# Allegro board sk_s7g2 rev3.0.brd (continued)
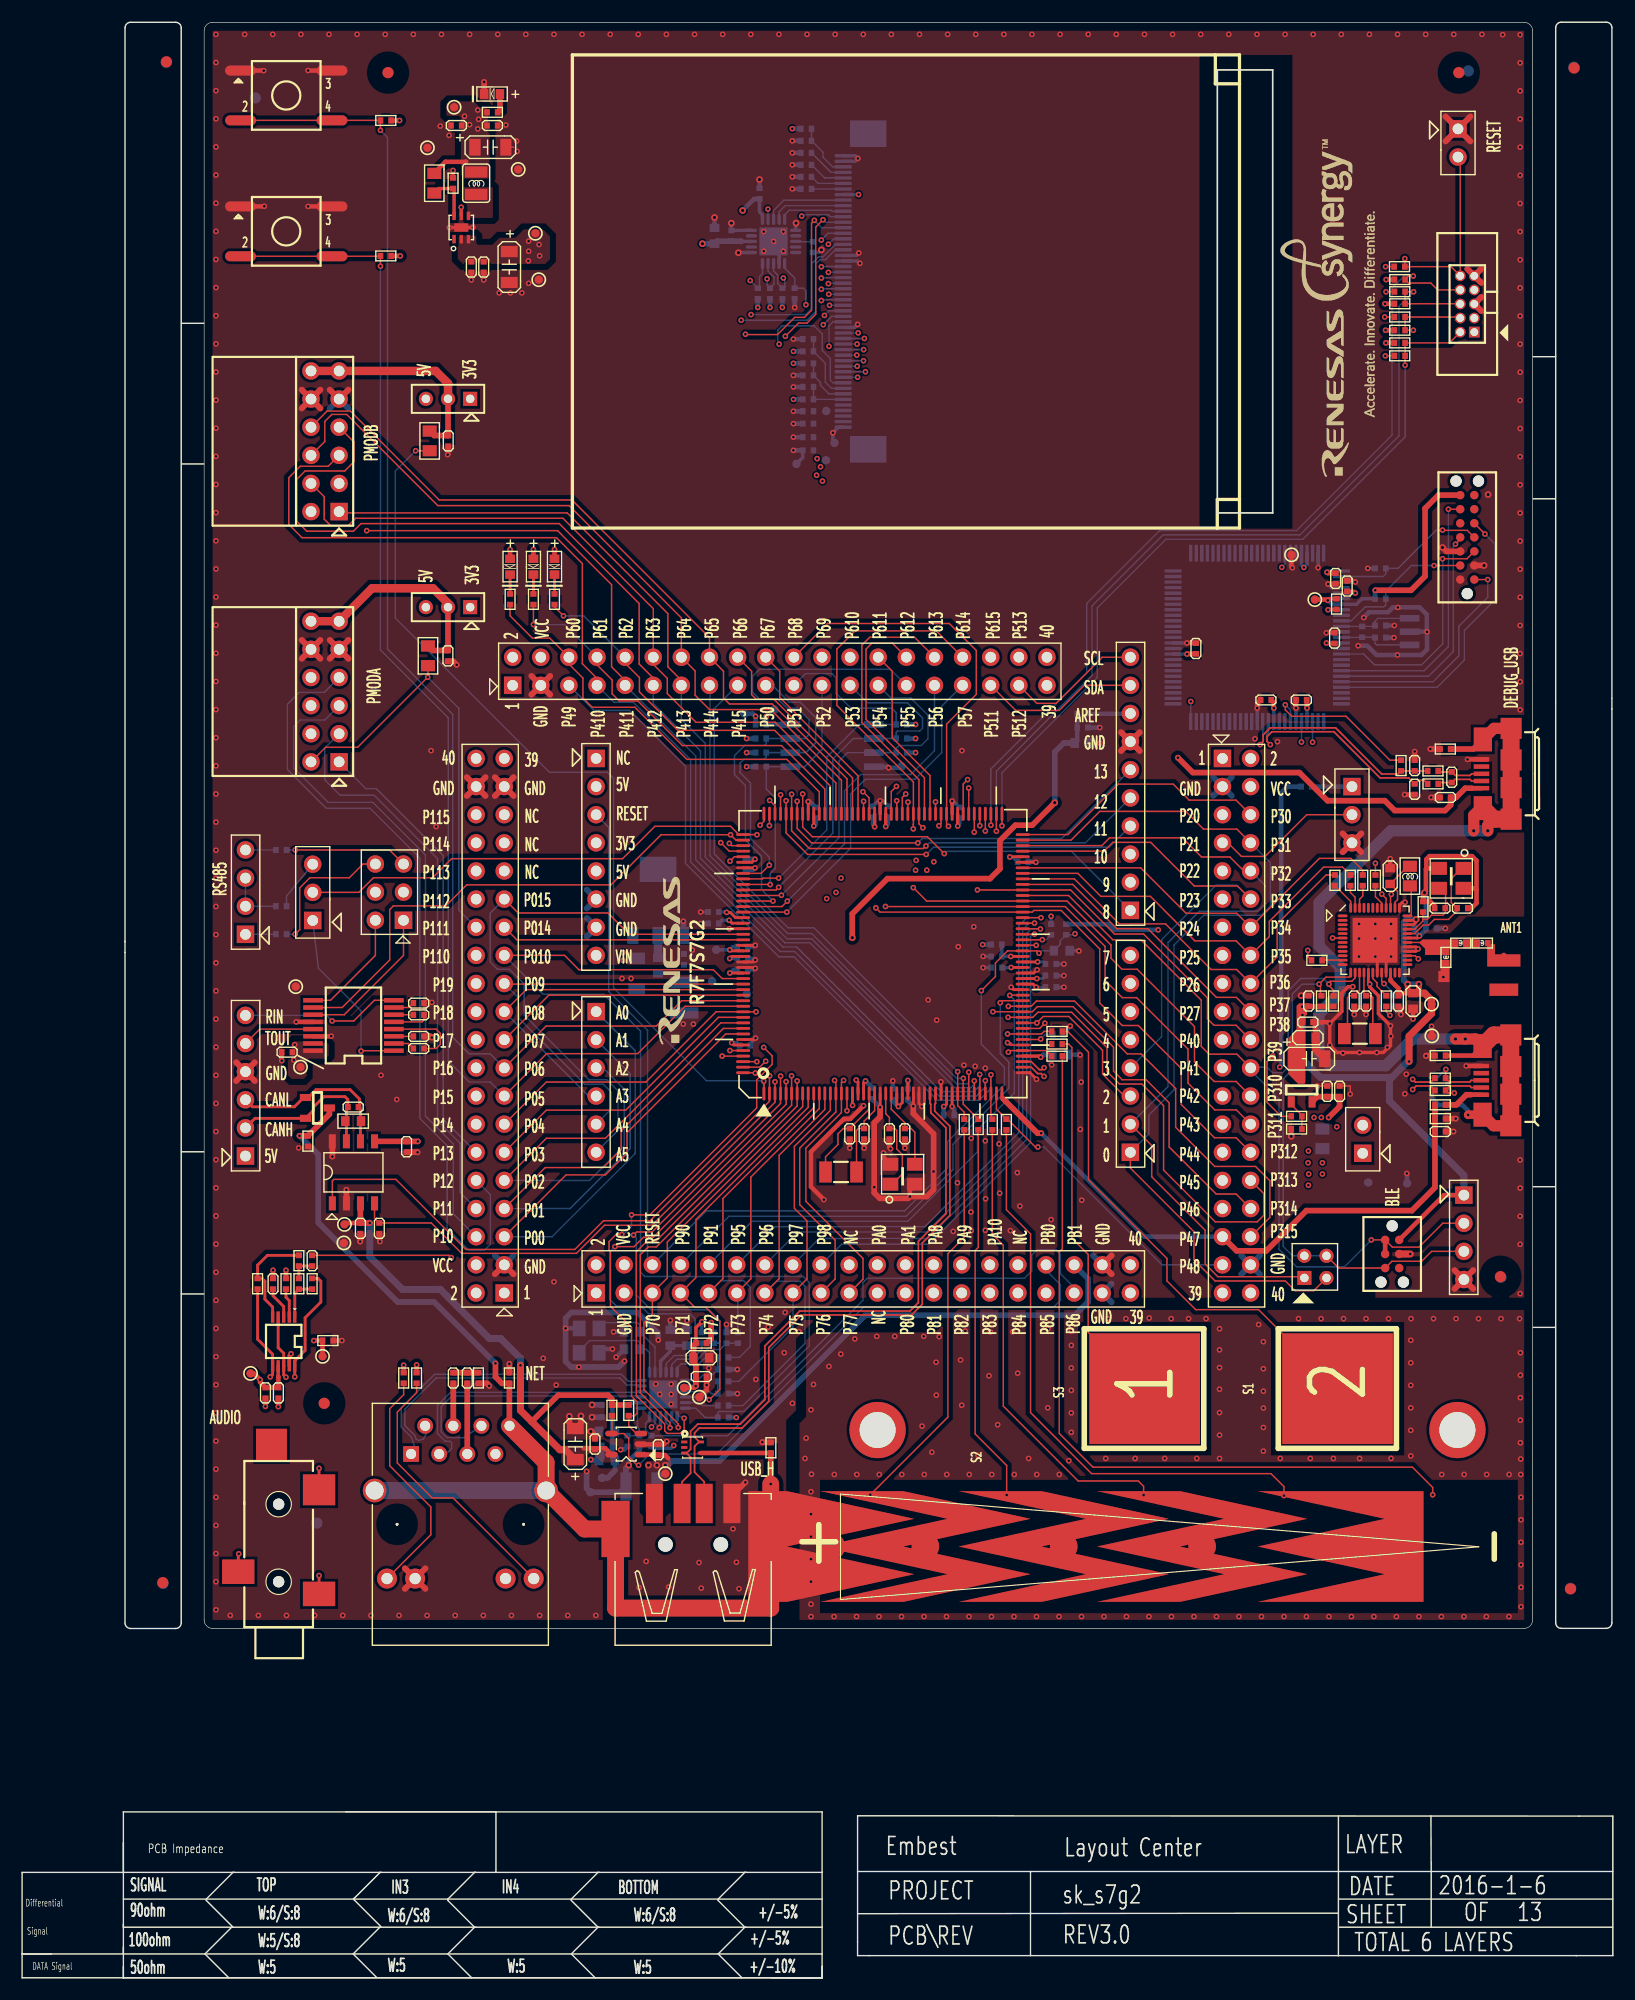
[diagram p0: board, top side]
## Routing (per net, layer and track width the routed paths; a pad name or vN(x,y) marks a point on that pad's centre or on a via; arc(x,y) is an arc through that point) (continued)
N247887: length 2.1
  TOP w0.127: U2.46 120.81,97.39 121.1,97.68 R12.1
N247935: length 2.2
  TOP w0.127: U2.41 122.8,97.04 122.24,97.61 R13.1
N248115: length 10
  TOP w0.127: X4.1 130.01,100.17 129.09,99.24 129.09,97.09 129.6,96.58 C32.1 129.62,96.35 128.83,95.56 127.56,95.56 127.06,95.05 126.55,95.05 125.78,94.28 U2.32
N248123: length 7.3
  TOP w0.127: U2.33 125.8,94.68 126.52,95.41 126.52,95.56 ; 126.52,95.56 126.52,96.2 R121.1 ; 126.52,95.56 126.93,95.56 127.31,95.94 128.33,95.94 128.56,96.17 C33.1 128.58,96.6 128.58,97.85 128.06,98.37 X4.3
N248163: length 1.3
  TOP w0.127: 126.42,93.48 U2.30
N251288: length 5
  TOP w0.152: J5.2 130.91,80.38 130.76,80.53 128.99,80.53 128.58,80.12 R35.2 128.81,79.89 v1(129.37,79.89)
  BOTTOM w0.152: v1(129.37,79.89) 128.98,80.28 U4.3
N251332: length 5.8
  TOP w0.152: v1(128.61,82.02) 128.58,82 R36.2 128.93,80.89 130.76,80.89 130.91,81.03 J5.3
  BOTTOM w0.152: U4.5 127.86,81.28 v1(128.61,82.02)
N256768: length 4.3
  BOTTOM w0.305: U9.9 57.67,55.69 58.55,56.57 58.55,57.08 60.05,57.08
N256838: length 3
  BOTTOM w0.127: U9.17 61.18,51.94 61.45,51.67 R101.1
N257120: length 3.9
  BOTTOM w0.127: C54.1 C55.1 55.75,49.54 55.58,49.71 55.58,51.31 55.71,51.44 U9.1
N258949: length 34.5
  TOP w0.127: R64.2 94.52,84.31 94.82,84 94.82,66.78 96.3,65.31 96.3,58.29 S3.1
N258953: length 46.2
  TOP w0.127: R60.2 94.44,85.45 96.32,83.57 96.32,72.04 103.41,64.95 103.41,62.92 106,60.33 111.68,60.33 S1.1
N259639: length 70.6
  TOP w0.127: R61.2 93.96,65.82 93.68,65.54 93.68,49.16 96.73,46.11 125.58,46.11 127.41,44.28 v1(127.41,43.62)
N259643: length 52.9
  TOP w0.127: R62.2 88.91,69.35 91.09,67.16 91.09,51.04 96.6,45.52 112.81,45.52 113.98,44.36 v1(113.98,43.54)
N259647: length 41.8
  TOP w0.127: v1(101.3,43.59) 101.3,44.38 100.82,44.86 95.38,44.86 88.63,51.62 88.63,66.15 87.64,67.14 R63.2
N259651: length 34.3
  TOP w0.127: R65.2 86.37,65.95 86.09,65.67 86.09,49.1 88.93,46.26 v1(88.93,43.59)
N259671: length 36.5
  TOP w0.127: v1(76.61,43.62) 83.62,50.63 83.62,65.39 85.1,66.86 R66.2
N261902: length 2.6
  TOP w0.254: U10.2 24.13,61.15 23.83,61.45 R69.2
N261966: length 2.9
  TOP w0.254: U10.3 23.63,60.61 22.66,61.58 C69.2
N261974: length 3.9
  TOP w0.254: R73.1 R72.2 24.63,61.81 U10.1
N261978: length 9.6
  TOP w0.254: R71.2 22.15,65.23 21.27,64.34 R70.1 21.67,63.15 21.93,62.9 21.93,61.27 22.63,60.57 U10.5
N261998: length 2.3
  TOP w0.254: R72.1 R71.1 C68.2
N262118: length 33.4
  TOP w0.254: R73.2 26.73,63.15 26.98,62.9 26.98,61.02 25.56,59.6 25.56,56.65 24.63,55.72 U10.10 v1(24.63,54.27) ; J16.3 19.52,38.24 v1(19.56,38.28)
  INT3 w0.254: v1(19.56,38.28) 19.56,53.25 21.52,55.2 23.7,55.2 v1(24.63,54.27)
N262130: length 20.6
  TOP w0.254: R70.2 21.27,57.66 22.63,56.3 U10.6 22.63,54.48 v1(22.41,54.26) ; J16.2 v1(26.82,46)
  INT3 w0.254: v1(22.41,54.26) 26.82,49.85 v1(26.82,46)
N262210: length 27.4
  TOP w0.254: U10.4 23.13,56.89 23.63,56.39 U10.8 23.63,54.44 v1(23.83,54.24) ; J16.1 v1(26.82,36.32)
  INT3 w0.254: v1(23.83,54.24) 27.89,50.17 27.89,37.4 v1(26.82,36.32)
N262816: length 1.8
  TOP w0.254: R78.2 LED2.2
N262820: length 1.8
  TOP w0.254: R79.2 LED3.2
N268406: length 4.1
  TOP w0.152: J19.2 130.93,108.06 130.79,108.21 129.42,108.21 C75.1 128.04,107.92 R84.2
N268410: length 4.1
  TOP w0.152: J19.3 130.93,108.71 130.79,108.56 129.45,108.56 C75.2 128,108.88 R85.2
N268414: length 20
  TOP w0.152: v1(112.75,111.35) 112.45,111.64 112.45,112.07 112.88,112.5 118.5,112.5 122.66,108.34 125.25,108.34 C76.1 126.11,108.13 126.62,108.13 R84.1
  BOTTOM w0.152: v1(112.75,111.35) 112.42,111.68 112.42,112.25 112.56,112.4 U11.36
N268418: length 20.1
  TOP w0.152: R85.1 125.79,108.96 C77.1 R82.2 124.28,108.69 122.81,108.69 118.64,112.86 112.74,112.86 112.1,112.22 112.1,111.62 v1(111.83,111.35)
  BOTTOM w0.152: U11.37 112.06,111.58 v1(111.83,111.35)
N268652: length 2.1
  TOP w0.305: v1(120.43,125.03) 120.27,125.18 C78.1
  BOTTOM w0.305: U11.5 120.42,125.02 v1(120.43,125.03)
N268708: length 14.5
  TOP w0.127: R82.1 123.55,109.94 119.59,113.9 114.69,113.9 114.1,114.48 v1(114.1,114.94)
  BOTTOM w0.127: v1(114.1,114.94) 114.56,114.48 U11.32
N268916: length 2
  TOP w0.305: R83.2 117.99,123.55 v1(117.96,123.52)
  BOTTOM w0.305: U11.8 v1(117.96,123.52)
N276523: length 2
  BOTTOM w0.762: U13.2 57.44,94.1 R114.1
N303455: length 1.8
  TOP w0.254: R77.2 LED1.2
N631689: length 7
  TOP w0.127: C45.2 37.39,83.91 37.78,84.29 37.78,85.27 37.39,85.66 U7.4
N631711: length 1.9
  TOP w0.127: U7.2 34.89,84.36 C45.1
N631753: length 3.3
  TOP w0.127: U7.5 36.12,86.31 36.3,86.49 C47.1
N631757: length 1.8
  TOP w0.127: C47.2 35.32,86.96 U7.6
N631837: length 1.8
  TOP w0.127: U7.3 33.59,85 C46.1
N631950: length 1.9
  TOP w0.127: U7.7 34.94,87.61 C48.1
N632290: length 14.4
  TOP w0.127: v1(28,86.39) 29.95,86.39 31.82,88.26 U7.8
  BOTTOM w0.127: v1(28,86.39) 27.49,86.9 J7.6
N632294: length 6.6
  TOP w0.127: U7.13 21.47,85.66 J7.5
N653496: length 3.6
  TOP w0.406: J5.1 130.87,79.73
  TOP w0.508: R34.2 129.55,78.82 130.46,79.73 130.87,79.73
N16083800: length 3.8
  TOP w0.508: J11.4 38.95,49.85 C58.2
N16083932: length 6.4
  TOP w0.508: C60.1 40.21,47.3 J11.5
N16084104: length 21.3
  TOP w0.127: J11.9 36.91,40 36.91,42.53 33.2,46.23 33.2,51.39 34.46,52.65 R52.2
N16084221: length 24.6
  TOP w0.127: R51.2 35.63,52.83 33.89,51.09 33.89,46.49 37.04,43.34 38.92,43.34 J11.12
N16122037: length 2.9
  BOTTOM w0.127: R25.1 71.31,161.51 J3.7
N16122041: length 3.1
  BOTTOM w0.127: R24.1 71.91,162.01 J3.6
N16122045: length 3.4
  BOTTOM w0.127: R21.1 72.49,162.51 J3.5
N16122049: length 3.6
  BOTTOM w0.127: J3.4 73.06,163.01 R18.1
N16125103: length 2.7
  BOTTOM w0.127: R43.2 20.18,94.23 J10.1
N16125111: length 5.3
  BOTTOM w0.127: J10.3 J10.2 R44.2
N16125121: length 2.7
  BOTTOM w0.127: R45.2 J10.4
N16443008: length 1.7
  TOP w0.508: R90.2 43.16,168.64 LED4.1
N16680288: length 4.4
  TOP w0.305: U12.6 39.02,161.46 R117.1 37.64,161.55 R118.2
N16778588: length 2.9
  TOP w0.127: R124.1 R123.2 115.6,77.88 114.64,78.85 Q1.1
N16791560: length 1.6
  BOTTOM w0.127: U3.3 69.9,156.75 C39.1

## Copper pours and planes (outline as drawn; the poured copper is in the pictures)
+3V3 on TOP: 39.63,162.8 39.99,162.44 42.07,162.44 42.22,162.59 42.22,168.54 41.92,168.84 41.38,168.84 40.8,169.42 38.58,169.42 38.31,169.16 38.31,168.21 38.41,168.1 39.48,168.1 39.63,167.95
+3V3 on TOP: 24.34,81.16 25.43,81.16 25.71,81.44 25.71,82.81 25.89,82.99 27.41,82.99 27.69,83.27 27.69,84.26 27.39,84.56 24.59,84.56 24.19,84.16 24.19,83.09 24.01,82.91 24.01,81.49 ; 1 cut-out
+3V3 on BOTTOM: 115.98,79.58 115.98,76.44 116.29,76.13 121.85,76.13 122.33,76.61 122.33,79.43 121.82,79.94 116.34,79.94
+3V3 on BOTTOM: 73.39,137.62 72.78,138.23 72.78,139.86 72.79,139.87 72.79,139.97 73.21,140.39 75.04,140.39 75.42,140.77 75.42,141.99 75.27,142.15 72.17,142.15 71.84,141.81 71.53,141.81 71.41,141.69 71.41,137.22 70.9,136.71 70.9,134.93 71.33,134.5 73.21,134.5 73.39,134.68
+3V3 on INT4: 49.26,46.74 49.26,50.07 47.4,51.92 47.35,51.92 46.56,52.71 21.49,52.71 20.77,53.44 20.77,85.92 30.41,95.56 30.41,168.41 30.87,168.87 79.91,168.87 81.77,167.01 81.77,134.12 86.8,129.09 113.37,129.09 115.3,131.02 115.3,153.96 117.46,156.12 132.44,156.12 133.69,154.87 133.69,137.83 128.35,132.49 128.35,50.88 123.42,45.96 60.97,45.96 60.41,46.51 49.48,46.51 ; 1 cut-out
+3V3_BLE on TOP (solid shape): 115.5,87.99 115.54,87.98 115.55,87.94 115.55,87.81 116.01,87.81 116.04,87.79 116.06,87.76 116.06,86.95 116.03,86.93 115.73,86.93 115.73,85.63 115.86,85.63 115.89,85.62 115.91,85.58 115.91,80.91 115.75,80.75 115.22,80.75 114.38,81.59 114.38,84.84 115.12,85.58 115.12,87.76 115.35,87.99
+3V3_MCU on BOTTOM: 123.23,74.82 122.66,75.39 115.75,75.39 115.12,74.76 115.12,71.18 115.99,70.31 122.57,70.31 123.23,70.97
+3V3_MCU on INT3: 65.33,101.78 65.33,98.51 67.29,96.55 79.18,96.55 85.07,102.44 85.07,104.48 84.69,104.86 68.41,104.86
+3V3_MCU on INT4: 83.14,78.14 80.24,81.03 80.24,103.87 80.98,104.6 88.27,104.6 95.89,96.98 95.89,87.84 100.39,83.34 113.14,83.34 115.65,80.83 115.65,76.77 118.41,74.01 118.41,70.5 117.07,69.17 99.17,69.17 88.04,69.17 86.37,70.85 86.37,75.22 83.44,78.14 ; 1 cut-out
+3V3_MCU on INT4: 62.9,82.18 70.92,74.15 74.48,74.15 74.5,74.17 77.76,74.17 79.3,75.72 79.3,78.92 77.78,80.45 77.78,81.77 75.32,84.23 75.32,103.71 74.58,104.45 68.99,104.45 62.9,98.36
+3V3ANA on BOTTOM: 63.38,88.53 64.75,89.9 64.75,93.15 64.37,93.53 62.29,93.53 61.63,92.87 61.63,91.93 61.37,91.68 58.68,91.68 58.15,91.14 56.98,91.14 56.77,90.94 56.77,88.96 57.21,88.53
+5V on TOP: 47.25,154.74 47.68,155.18 47.68,157.23 47.05,157.87 45.32,157.87 44.56,157.11 43.11,157.11 42.47,156.47 41.18,156.47 41.03,156.62 41.03,157.21 40.93,157.31 39.58,157.31 39.35,157.08 39.35,155.2 39.81,154.74
+5V on TOP: 53.52,47.56 52.89,47.56 52.38,48.06 49.08,48.06 48.7,47.68 48.7,46.54 49.08,46.16 50.6,46.16 50.86,46.41 50.86,47.17 50.98,47.3 51.62,47.3 52.38,46.54 53.4,46.54 53.78,46.92 53.78,47.3
+5V on BOTTOM: 54.59,95.26 54.3,94.96 54.3,93.03 53.9,92.64 53.9,91.78 54.15,91.54 55.8,91.54 56.28,92.02 56.28,95.02 56.04,95.26
+5V on INT3: 47.55,136.76 39.17,128.38 39.17,122.69 36.35,119.87 25.99,119.87 25.38,119.26 25.38,111.69 53.24,111.69 56.24,108.69 56.24,93.07 54.72,91.55 49.61,91.55 47.4,93.76 47.4,97.01 45.32,99.09 26.62,99.09 25.38,97.85 25.38,84.82 48.44,61.75 48.44,57.69 48.01,57.26 34.36,57.26 18.74,72.88 18.74,158.85 20.12,160.23 47.17,160.23 47.55,159.85
AGND on GND2: 18.78,66.25 27.06,66.25 27.51,65.79 27.51,53.04 29.6,50.96 29.6,33.2 18.32,33.2 18.32,65.79
GND_POWER on TOP (solid shape): 128.92,89.9 127.92,89.9 127.92,90.9 128.12,90.9 128.12,91.9 128.92,91.9
GND_POWER on TOP: 87.71,60.31 135.68,60.31 135.68,32.32 70.21,32.32 70.21,50.07 70.81,50.67 70.81,57.55 71.53,58.27 82.48,58.27 84.56,60.36 87.66,60.36 ; 2 cut-outs
GND_POWER on BOTTOM: 17.2,32.32 17.2,175.79 135.68,175.79 135.68,95.82 130.49,95.82 128.96,94.29 128.96,86.04 135.68,86.04 135.68,32.32 ; 56 cut-outs
GND_POWER on GND2: 17.2,66.63 17.2,175.79 135.68,175.79 135.68,95.82 130.49,95.82 128.94,94.27 128.94,86.09 135.68,86.09 135.68,32.32 29.95,32.32 29.95,51.26 27.95,53.27 27.95,65.67 26.98,66.63
GND_POWER on INT3: 17.2,32.32 17.2,175.79 135.68,175.79 135.68,95.82 130.46,95.82 128.94,94.29 128.94,85.58 135.68,85.58 135.68,32.32 ; 52 cut-outs
GND_POWER on INT4: 17.2,32.32 17.2,175.79 135.68,175.79 135.68,155.12 133.89,155.12 133.46,154.69 133.46,137.93 135.68,135.71 135.68,95.82 130.49,95.82 128.94,94.27 128.94,86.09 135.68,86.09 135.68,32.32 ; 18 cut-outs
GND_POWER on GND5: 17.2,32.32 17.2,175.79 135.68,175.79 135.68,95.82 130.51,95.82 128.94,94.24 128.94,86.09 135.68,86.09 135.68,32.32
VDD_IO on INT3: 57.44,51.9 57.44,47.61 58.04,47 59.49,47 61.6,49.1 64.27,49.1 64.98,49.82 64.98,51.31 62.31,53.98 59.52,53.98
(no net) on TOP: 17.2,32.32 17.2,175.79 135.68,175.79 135.68,95.82 130.49,95.82 128.96,94.29 128.96,86.04 135.68,86.04 135.68,61.4 122.23,61.4 122.23,64.53 122.65,64.53 122.66,64.53 122.68,64.54 122.74,64.59 122.8,64.63 122.85,64.72 122.8,64.81 122.52,65.16 122.54,65.6 122.54,66.13 122.52,66.17 122.48,66.18 121.87,66.18 121.81,66.19 121.75,66.2 121.44,66.51 121.52,66.89 121.87,67.07 122.65,67.07 122.66,67.07 122.68,67.08 122.85,67.2 123.06,67.26 123.14,67.32 123.13,67.42 122.97,67.96 123.21,68.46 123.23,68.57 123.14,68.64 116.27,68.64 112.64,65.01 112.01,65.01 111.92,64.96 111.92,64.86 112.03,64.39 111.93,63.93 110.67,62.67 110.67,61.65 110.93,61.4 73.59,61.4 69.91,57.72 69.91,51.24 69.02,50.35 69.02,32.32 ; 122 cut-outs
PB_1 on TOP: 56.7,41.84 56.32,42.22 56.32,46.54 56.44,46.67 56.95,46.67 57.21,46.92 57.21,47.43 58.1,47.43 58.6,46.92 58.6,45.4 57.71,44.51 57.71,42.22 57.84,42.09 57.59,41.84
PB_1 on BOTTOM: 56.32,42.86 56.32,46.29 55.94,45.9 55.94,46.03 56.57,46.67 57.97,46.67 58.48,46.16 58.48,42.86
N248163 on TOP (solid shape): 129.72,92.96 128.92,92.96 128.92,92.36 126.73,92.36 126.73,92.92 126.22,93.43 126.22,93.48 126.5,93.76 129.72,93.76
N248215 on TOP (solid shape): 131.67,92.96 130.17,92.96 130.17,93.76 131.67,93.76
N16680014 on TOP: 42.46,158.9 42.53,158.96 42.53,161.6 42.45,161.68 39.91,161.68 39.78,161.55 39.78,160 40.06,159.72 40.06,159.16 40.33,158.9

## Text on the board
Ref Des/Silkscreen Bottom: SK-S7G2-REV3.0 | J-LInk OB | WWW.segger.com
User.Comments: BOTTOM | MASK | INT4 | GND5 | TOP | GND2 | INT3 | 6 LAYER CROSS SECTION BUILD | PREPREG | ROUTING | PLANE
Board Geometry/Outline: Differential | Signal | DATA Signal | PCB Impedance | 100ohm | SIGNAL | 90ohm | 50ohm | TOP | W:6/S:8 | W:5/S:8 | W:5 | IN3 | IN4 | BOTTOM | +/-10% | +/-5% | Embest | sk_s7g2 | REV3.0 | Layout Center | LAYER | SHEET | DATE | TOTAL 6 LAYERS | 2016-1-6 | PCB\REV | PROJECT | OF | 13
Ref Des/Silkscreen Top: AUDIO | 5V | TOUT | CANL | CANH | RIN | GND | P115 | P114 | P113 | P112 | P111 | P110 | P19 | P18 | P17 | P16 | P15 | P14 | P13 | P12 | P11 | P10 | VCC | 40 | 2 | 1 | P015 | P014 | P010 | P09 | P08 | P07 | P06 | P05 | P04 | P03 | P02 | P01 | P00 | 39 | NC | NET | 3V3 | VIN | A0 | A1 | A2 | A3 | A4 | A5 | RESET | USB_H | AREF | SCL | SDA | 13 | 12 | 11 | 10 | 9 | 8 | 7 | 6 | 5 | 4 | 3 | 0 | P20 | P21 | P22 | P23 | P24 | P25 | P26 | P27 | P40 | P41 | P42 | P43 | P44 | P45 | P46 | P47 | P48 | P37 | P38 | P36 | P312 | P313 | P314 | P315 | P30 | P31 | P32 | P33 | P34 | P35 | RS485 | PMODB | PMODA | P49 | P60 | P410 | P61 | P62 | P411 | P63 | P70 | P412 | P90 | P71 | P413 | P64 | P91 | P414 | P72 | P65 | P73 | P95 | P415 | P66 | P96 | P74 | P50 | P67 | P51 | P68 | P97 | P75 | P76 | P69 | P52 | P98 | P77 | P610 | P53 | PA0 | P611 | P54 | P80 | P612 | P55 | PA1 | P81 | PA8 | P613 | P56 | P82 | P614 | PA9 | P57 | P83 | P511 | P615 | PA10 | P512 | P84 | P513 | P85 | PB0 | P86 | PB1 | P39 | P310 | P311 | BLE | DEBUG_USB | R7F7S7G2
User.12: FIGURE | SIZE | 10.0 | 12.0 | 28.0 | 30.0 | 36.0 | 38.0 | 40.0 | 64.0 | 128.0 | 52.0 | 67.0 | 126.0 | DRILL CHART: TOP to BOTTOM | ALL UNITS ARE IN MILS | PLATED | NON-PLATED | QTY | 863 | 32 | 10 | 3 | 7 | 8 | 246 | 4 | 2 | 6
